# Altium PCB PCB.PcbDoc (part 1 of 4) (continued)
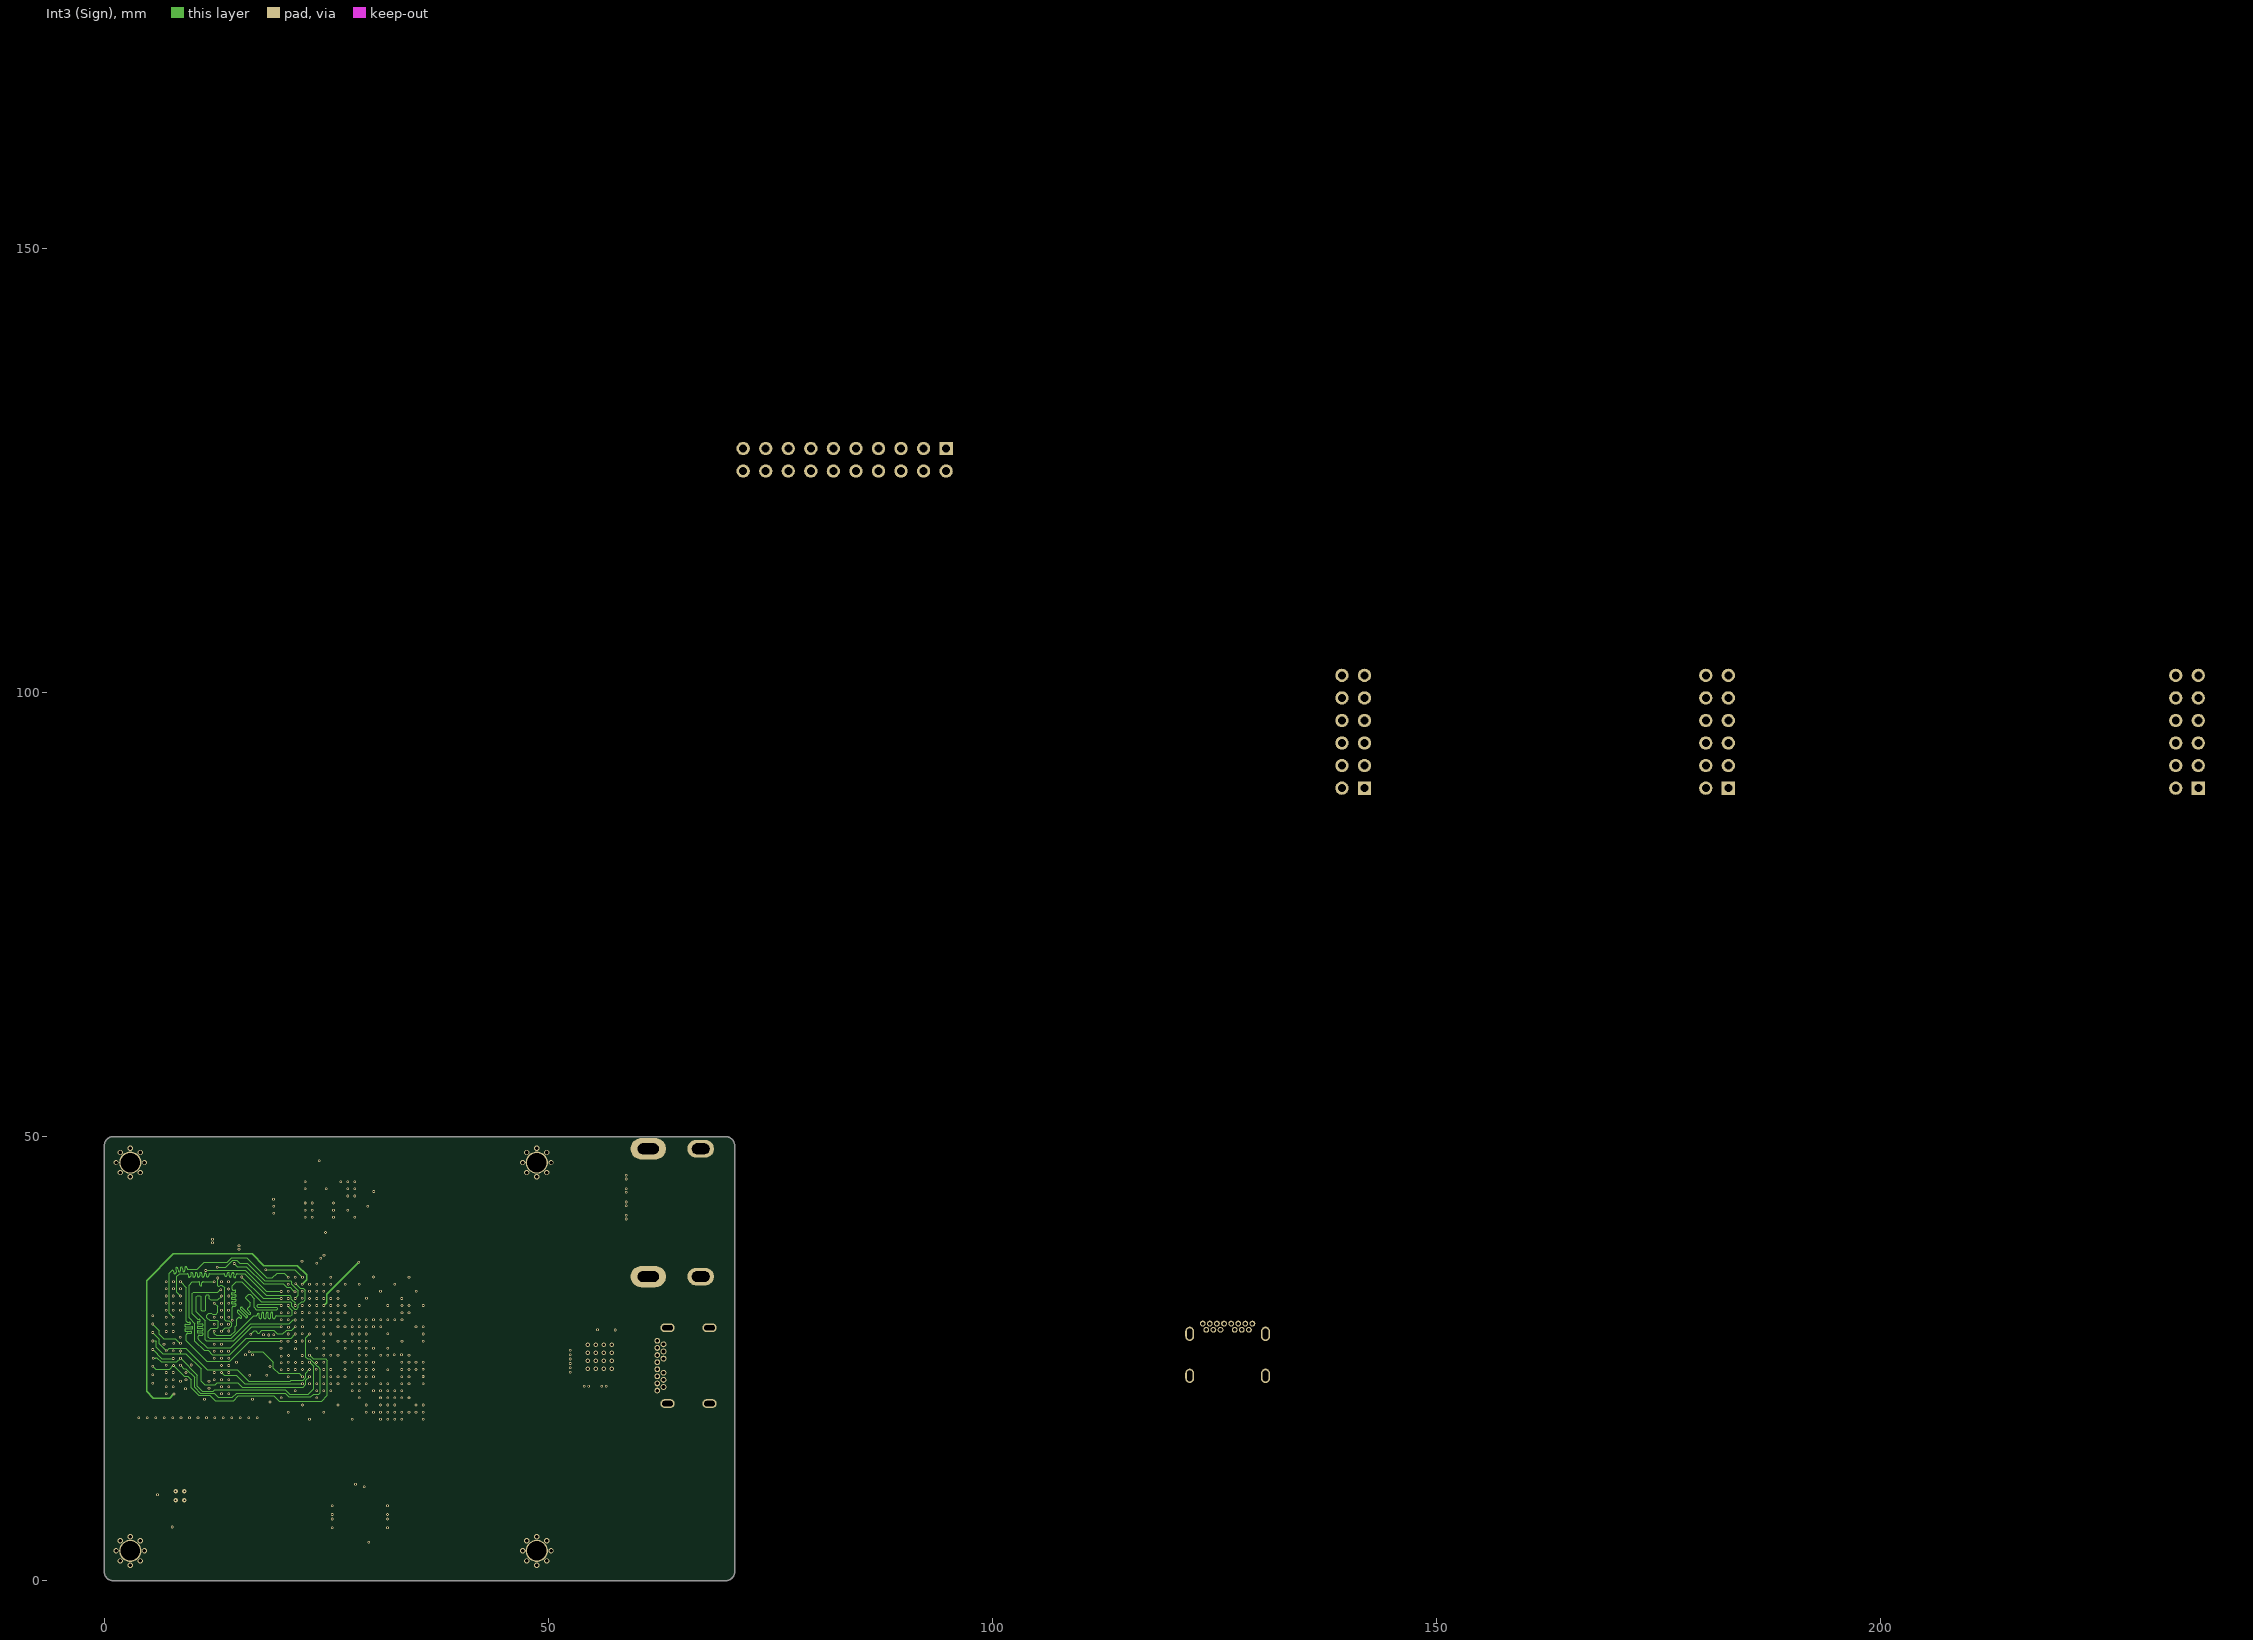
[diagram p4: Int3 (Sign)]
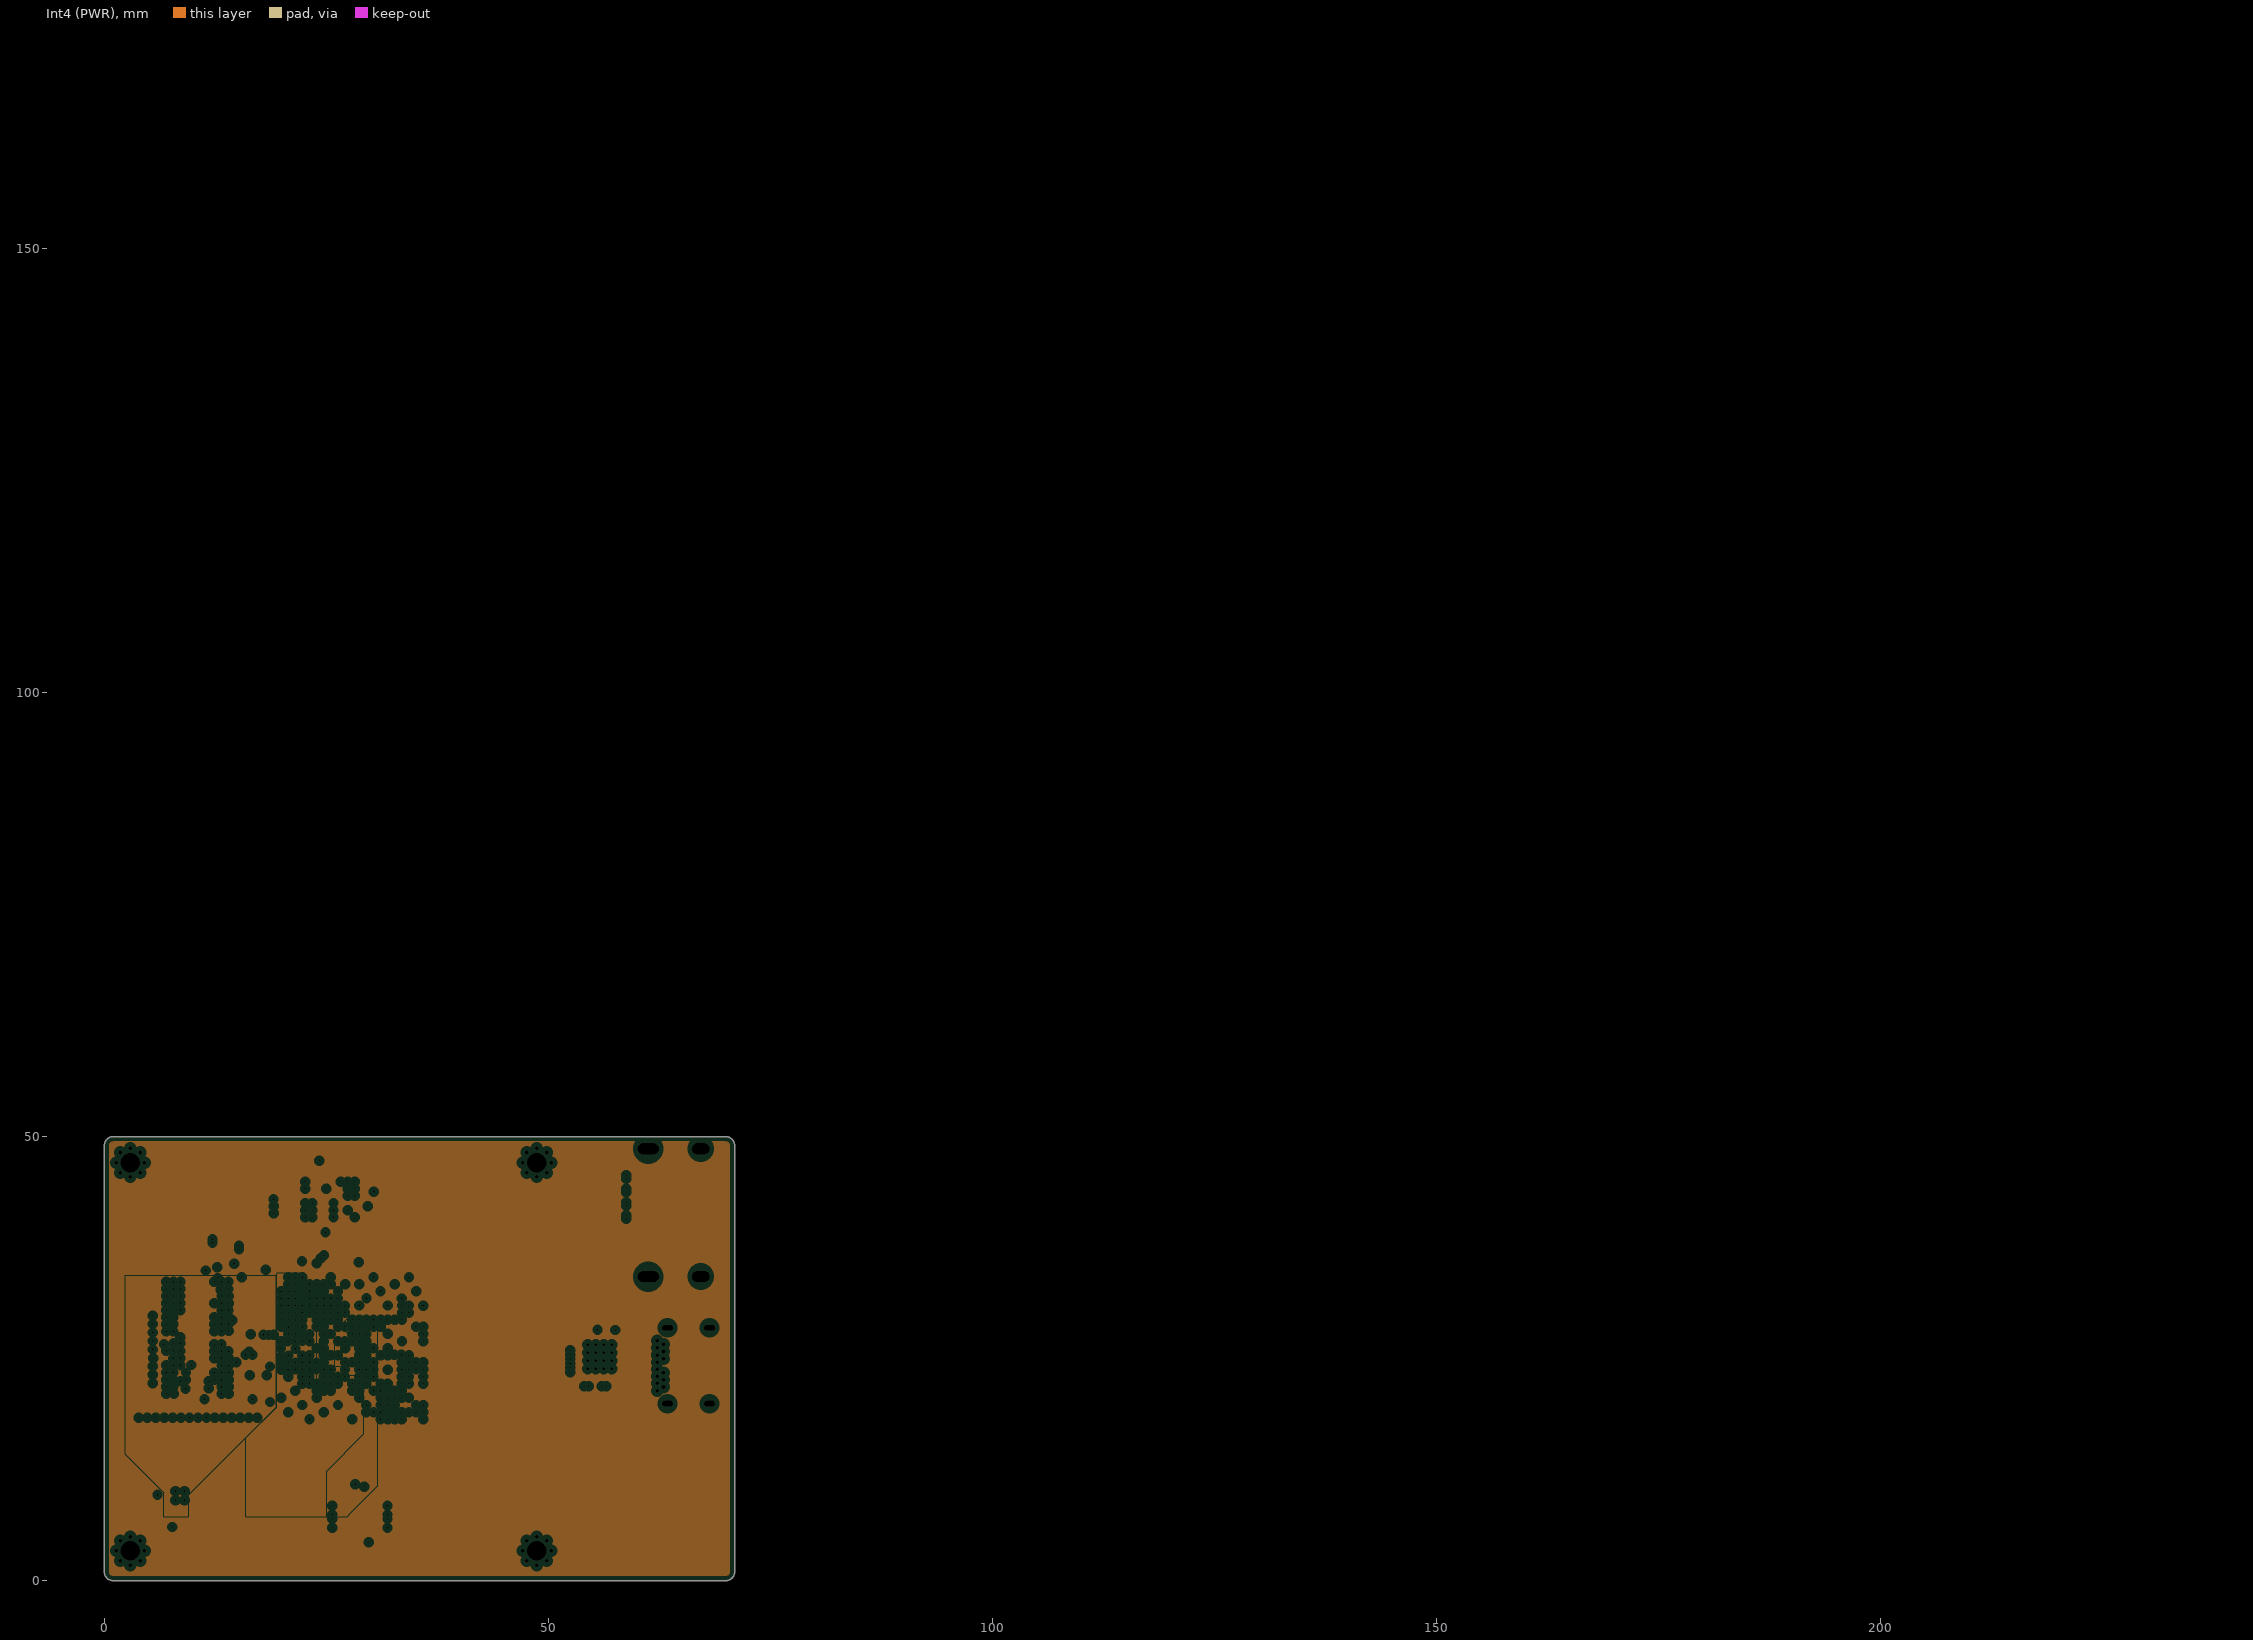
[diagram p5: Int4 (PWR), clearances drawn from the general rule]

## Layer stack, top to bottom
Top Solder: solder mask 0.0254, SM-001, Dk 4
Top Layer: signal copper 0.035
Dielectric 2: prepreg 0.0994, PP-006, Dk 4.1
Int1 (GND): plane copper 0.0152, net GND
Dielectric 3: core 0.35, Core-035, Dk 4.7
Int2 (Sign): signal copper 0.0152
Dielectric 4: prepreg 0.0584, PP-016, Dk 4.4
Dielectric 5: prepreg 0.0584, PP-016, Dk 4.4
Int3 (Sign): signal copper 0.0152
Dielectric 6: core 0.35, Core-035, Dk 4.7
Int4 (PWR): plane copper 0.0152, net (Multiple Nets)
Dielectric 7: prepreg 0.0994, PP-006, Dk 4.1
Bottom Layer: signal copper 0.035
Bottom Solder: solder mask 0.0254, SM-001, Dk 4

## Board outline
0,1 0,49 cw(c1,49) 1,50 70,50 cw(c70,49) 71,49 71,1 cw(c70,1) 70,0 1,0 cw(c1,1)

## Design rules (kind name [scope] priority, off if disabled: settings)
Clearance [All] p1: gap=0.1 ignorepadtopadclearanceinfootprint=FALSE except(0: Arc-Hole Track-Hole SMDPad-Hole THPad-Hole Via-Hole Fill-Hole Poly-Hole Region-Hole Text-Hole)
DiffPairsRouting [All] p1: maxlimit=0.127 minlimit=0.127 mostfreqgap=0.127 toplayer_minwidth=0.092 toplayer_maxwidth=0.092 toplayer_prefwidth=0.092 midlayer1_minwidth=0.082 midlayer1_maxwidth=0.082 midlayer1_prefwidth=0.082 midlayer2_minwidth=0.082 midlayer2_maxwidth=0.082 midlayer2_prefwidth=0.082 bottomlayer_minwidth=0.092 bottomlayer_maxwidth=0.092 bottomlayer_prefwidth=0.092 impedanceprofiledriven=TRUE impedanceprofileid={2C485AA9-0157-410C-BA8E-EF8DE5C47018} impedanceprofilevalue=100.000000 maxuncoupledlength=12.7
Length "Schematic Length Constraint_1" [InNetClass('HDMI')] p1: maxlimit=50.8 minlimit=25.4
Length "Schematic Length Constraint" [InNetClass('DDR_DATA')] p2: maxlimit=50.8 minlimit=0
MaxMinImpedance "Schematic Impedance Constraint_3" [InNetClass('HDMI')] p1: minimum=50.00 maximum=50.00
MaxMinImpedance "Schematic Impedance Constraint_2" [InNetClass('DDR_CTRL')] p2: minimum=40.00 maximum=40.00
MaxMinImpedance "Schematic Impedance Constraint_1" [InNetClass('DDR_ADDR')] p3: minimum=40.00 maximum=40.00
MaxMinImpedance "Schematic Impedance Constraint" [InNetClass('DDR_DATA')] p4: minimum=40.00 maximum=40.00
PlaneClearance [All] p1: clearance=0.508
PlaneConnect [All] p1: planeconnectstyle=Relief reliefexpansion=0.508 reliefentries=4 reliefconductorwidth=0.254 reliefairgap=0.254
PolygonConnect [All] p1: connectstyle=Relief reliefconductorwidth=0.254 reliefentries=4 polygonreliefangle="90 Angle" airgapwidth=0.254
RoomDefinition U_Power_DDRTermination [InComponentClass('U_Power_DDRTermination')] p1: confinementstyle=ConfineIn formatcopy=TRUE lockcomponents=FALSE outline 72.14,1.4 117.21,1.4 117.21,7.78 72.14,7.78
RoutingVias [All] p1: holewidth=0.2 width=0.4 viastyle="Through Hole" minholewidth=0.1 minwidth=0.2 maxholewidth=0.711 maxwidth=1.27
SolderMaskExpansion [All] p1: expansion=0.102 istentingtop=FALSE
Width HDMI [InNetClass('HDMI')] p1: maxlimit=0.155 minlimit=0.132 preferedwidth=0.155 toplayer_minwidth=0.155 midlayer1_maxwidth=0.132 midlayer1_prefwidth=0.132 midlayer2_maxwidth=0.132 midlayer2_prefwidth=0.132 bottomlayer_minwidth=0.155 impedanceprofiledriven=TRUE impedanceprofileid={C3B02C02-2A46-4D4C-BFA6-C15872B89736} impedanceprofilevalue=50.000000 minimp=50.000000 maximp=50.000000 favimp=50.000000
Width "Schematic Width Constraint_DDAR_D" [InNetClass('DDR_DATA')] p2: maxlimit=0.254 minlimit=0.1 preferedwidth=0.24 midlayer1_prefwidth=0.207 midlayer2_prefwidth=0.207 impedanceprofiledriven=TRUE impedanceprofileid={B25132B8-B395-43E9-A002-382E9EB60B30} impedanceprofilevalue=40.000000 minimp=50.000000 maximp=50.000000 favimp=50.000000
Width "Schematic Width Constraint_DDR_A" [InNetClass('DDR_ADDR')] p3: maxlimit=0.254 minlimit=0.1 preferedwidth=0.24 midlayer1_prefwidth=0.207 midlayer2_prefwidth=0.207 impedanceprofiledriven=TRUE impedanceprofileid={B25132B8-B395-43E9-A002-382E9EB60B30} impedanceprofilevalue=40.000000 minimp=50.000000 maximp=50.000000 favimp=50.000000
Width [All] p4: maxlimit=2 minlimit=0.09 preferedwidth=0.1 minimp=50.000000 maximp=50.000000 favimp=50.000000
27 further rules are at their usual default settings.

## Classes and differential pairs
component class U_Ethernet: C8 C9 C10 C11 C12 C13 C14 C15 C16 C17 C18 C19 C20 C21 C22 C23 C143 L1 L2 R8 U4
component class U_Power_DDRTermination: C110 C111 C112 C113 C118 C119 C120 C121 C122 R120 R121 R122 U15
net class USB_DATA[0..7]: USB_DATA0 USB_DATA1 USB_DATA2 USB_DATA3 USB_DATA4 USB_DATA5 USB_DATA6 USB_DATA7
net class NAND: #RE_0 #WE_0 ALE_0 CLK_0 CS_0 IO0_0 IO1_0 IO2_0 IO3_0 IO4_0 IO5_0 IO6_0 IO7_0 RY/#BY_0
net class HDMI: HDMI_CLK_N HDMI_CLK_P HDMI_D0_N HDMI_D0_P HDMI_D1_N HDMI_D1_P HDMI_D2_N HDMI_D2_P
net class SD-CARD: SD_CMD SD_DAT0 SD_DAT1 SD_DAT2 SD_DAT3 SD_NCD SD_SCK
net class DDR_DATA: DDR-0-DQ0 DDR-0-DQ1 DDR-0-DQ2 DDR-0-DQ3 DDR-0-DQ4 DDR-0-DQ5 DDR-0-DQ6 DDR-0-DQ7 DDR-0-DQ8 DDR-0-DQ9 DDR-0-DQ10 DDR-0-DQ11 DDR-0-DQ12 DDR-0-DQ13 DDR-0-DQ14 DDR-0-DQ15
net class DDR_CTRL: DDR-0-BA0 DDR-0-BA1 DDR-0-BA2 DDR-0-CAS DDR-0-CLK DDR-0-CLK0_N DDR-0-CLK0_P DDR-0-CS0 DDR-0-LDM DDR-0-LDQS_N DDR-0-LDQS_P DDR-0-ODT DDR-0-RAS DDR-0-RESET DDR-0-UDM DDR-0-UDQS_N DDR-0-UDQS_P DDR-0-WE
net class DDR_ADDR: DDR-0-A0 DDR-0-A1 DDR-0-A2 DDR-0-A3 DDR-0-A4 DDR-0-A5 DDR-0-A6 DDR-0-A7 DDR-0-A8 DDR-0-A9 DDR-0-A10 DDR-0-A11 DDR-0-A12 DDR-0-A13 DDR-0-A14
net class DDR-0-DQ[0..15]: DDR-0-DQ0 DDR-0-DQ1 DDR-0-DQ2 DDR-0-DQ3 DDR-0-DQ4 DDR-0-DQ5 DDR-0-DQ6 DDR-0-DQ7 DDR-0-DQ8 DDR-0-DQ9 DDR-0-DQ10 DDR-0-DQ11 DDR-0-DQ12 DDR-0-DQ13 DDR-0-DQ14 DDR-0-DQ15
net class DDR-0-BA[0..2]: DDR-0-BA0 DDR-0-BA1 DDR-0-BA2
net class DDR-0-A[0..14]: DDR-0-A0 DDR-0-A1 DDR-0-A2 DDR-0-A3 DDR-0-A4 DDR-0-A5 DDR-0-A6 DDR-0-A7 DDR-0-A8 DDR-0-A9 DDR-0-A10 DDR-0-A11 DDR-0-A12 DDR-0-A13 DDR-0-A14
component class U_ZYNQ_PW: C43 C44 C45 C46 C47 C48 C49 C50 C51 C52 C53 C54 C55 C56 C57 C58 C59 C60 C61 C62 C63 C64 C65 C66 C67 C68 C69 C70 C71 C72 C73 C74 C75 C76 C77 C78 C79 C80 C81 C82 C83 C84 FB2 FB3
component class U_ZYNQ_JTAG: C5 C7 C144 C145 C146 C147 C148 C149 C150 C151 D1 J2 R2 R3 R4 R5 R6 R9 R11 R12 R14 R15 R21 R24 R25 R26 R30 R31 R32 R33 U3 U5 Y4
component class U_ZYNQ_FLASH: C24 C25 C26 C27 IC1 R13 R48 R50 R51 R52 R71 R72 R73 R123 R125 R126 R127 R128 R129 R131 R132 R134
component class U_ZYNQ_DDR3: C96 C97 C98 C99 C100 C101 C102 C103 C104 C105 C106 C107 C108 C109 C114 C115 C116 C117 C123 C124 C125 C126 C127 C128 C129 C130 C131 C132 C133 C134 C135 C136 C137 C138 C139 R93 R94 R95 R96 R97 R98 R99 R100 R101 R102 R103 R104 R105 R106 R107 R108 R109 R110 R111 R112 R113 R114 R115 R116 R117 R118 R119 U14
component class U_ZYNQ_BANK: C85 C86 U1
component class U_USB: C6 C28 C29 C30 C31 J5 R7 R74 U2
component class U_Sheet5: M1 M2 M3 M4 PMOD1 PMOD2 PMOD3 R53 R54 R55 R57 R58 R59 R60 R61
component class U_SDCARD: J1 R86 R87 R88 R89 R90 R91 R92
component class U_HDMI: C40 C41 C42 D5 FB1 HDMI R35 R36 R39 R41 R43 R44 R45 R46 R79 R80 R81
component class U_GPIO: BTN0 BTN1 LED0 LED1 LED2 LED3 PMOD4+ R63 R64 R65 R66 R67 R68 R69 R70
component class U_PSCLK: C1 C2 C3 R1 R56 R62 Y1 Y2 Y3
component class U_Power: C4 C32 C33 C34 C35 C36 C37 C38 C39 C87 C88 C89 C90 C91 C92 C93 C94 C95 C140 C141 C142 D2 IC2 L3 L5 L6 L7 L8 R10 R75 R76 R77 R78 R82 R83 R84 R85 R124 R130 R133 R135 R136 R137
differential pair JTAG_USBD: +JTAG_USBD_P -JTAG_USBD_N
differential pair USBD: +USBD_P -USBD_N
differential pair USBD2: +USBD2_P -USBD2_N
differential pair Q4: +Q4_P -Q4_N
differential pair Q3: +Q3_P -Q3_N
differential pair Q2: +Q2_P -Q2_N
differential pair Q1: +Q1_P -Q1_N
differential pair P5: +P5_P -P5_N
differential pair P4: +P4_P -P4_N
differential pair P3: +P3_P -P3_N
differential pair P2: +P2_P -P2_N
differential pair P1: +P1_P -P1_N
differential pair HDMI_D2: +HDMI_D2_P -HDMI_D2_N
differential pair HDMI_D1: +HDMI_D1_P -HDMI_D1_N
differential pair HDMI_D0: +HDMI_D0_P -HDMI_D0_N
differential pair HDMI_CLK: +HDMI_CLK_P -HDMI_CLK_N
differential pair DDR-0-UDQS: +DDR-0-UDQS_P -DDR-0-UDQS_N
differential pair DDR-0-LDQS: +DDR-0-LDQS_P -DDR-0-LDQS_N
differential pair DDR-0-CLK0: +DDR-0-CLK0_P -DDR-0-CLK0_N

## Components (designator, comment, footprint, x,y, rotation, side; value= is the part's Value field where it differs from the comment)
BTN0 "PUSHBUTTON" SWPBS_SPST_6X3X5 111.26,115.06 r90 top
BTN1 "PUSHBUTTON" SWPBS_SPST_6X3X5 87.96,115.06 r90 top
C1 "CAP 10nF 16V 0402(1005)" CAPC0402(1005)60_M 35.37,36.56 r270 top value=10nF
C2 "CAP 10nF 16V 0402(1005)" CAPC0402(1005)60_M 39.62,26.54 r0 top value=10nF
C3 "CAP 10nF 16V 0402(1005)" CAPC0402(1005)60_M 39.62,21.33 r0 top value=10nF
C4 "CC0402KRX5R5BB105" FP-CC0402-MFG 28.72,1.59 r180 top value="1 uF"
C5 "0.1µF" CAP0402i 184.179,60.279 r90 top value=0.1µF,50V,X7R
C6 "GRM1555C1H102JA01D" FP-GRM155-0_05-IPC_B#1 181.98,126.019 r0 top value=1nF
C7 "0.1µF" CAP0402i 105.05,60.279 r90 top value=0.1µF,50V,X7R
C8 "C0402C104K8PACTU" FP-C0402-BB-MFG 105.33,10.54 r0 top value="0.10 μF"
C9 "C0402C104K8PACTU" FP-C0402-BB-MFG 79.9,10.54 r0 top value="0.10 μF"
C10 "C0402C104K8PACTU" FP-C0402-BB-MFG 83.13,10.54 r0 top value="0.10 μF"
C11 "C0402C104K8PACTU" FP-C0402-BB-MFG 86.85,10.54 r0 top value="0.10 μF"
C12 "C0402C104K8PACTU" FP-C0402-BB-MFG 90.45,10.54 r0 top value="0.10 μF"
C13 "C0402C104K8PACTU" FP-C0402-BB-MFG 120.18,10.54 r0 top value="0.10 μF"
C14 "C0402C104K8PACTU" FP-C0402-BB-MFG 123.91,10.54 r0 top value="0.10 μF"
C15 "C0402C104K8PACTU" FP-C0402-BB-MFG 127.629,10.54 r0 top value="0.10 μF"
C16 "C0402C104K8PACTU" FP-C0402-BB-MFG 131.359,10.54 r0 top value="0.10 μF"
C17 "C0402C104K8PACTU" FP-C0402-BB-MFG 135.079,10.54 r0 top value="0.10 μF"
C18 "C0402C104K8PACTU" FP-C0402-BB-MFG 138.809,10.54 r0 top value="0.10 μF"
C19 "C0402C104K8PACTU" FP-C0402-BB-MFG 116.45,10.54 r0 top value="0.10 μF"
C20 "C0402C104K8PACTU" FP-C0402-BB-MFG 101.61,10.54 r0 top value="0.10 μF"
C21 "C0402C104K8PACTU" FP-C0402-BB-MFG 76.3,10.54 r0 top value="0.10 μF"
C22 "C0402C104K8PACTU" FP-C0402-BB-MFG 94.17,10.54 r0 top value="0.10 μF"
C23 "C0402C104K8PACTU" FP-C0402-BB-MFG 97.89,10.54 r0 top value="0.10 μF"
C24 "GRM188R60J476ME15D" FP-GRM188-0_2-IPC_B 27.47,48.14 r0 top value=47uF
C25 "C0603C475K9PACTU" FP-C0603-CG-MFG 48.31,55.63 r90 bottom value=4.7uF
C26 "GRM155R61A474KE15D" FP-GRM15-0_1-MFG 23.84,40.54 r270 bottom value=0.47uF
C27 "GRM155R61A474KE15D" FP-GRM15-0_1-MFG 43.45,53.34 r90 bottom value=0.47uF
C28 "C0402C104K8PACTU" FP-C0402-BB-MFG 55.04,29.04 r90 top value="0.10 μF"
C29 "C0402C104K8PACTU" FP-C0402-BB-MFG 54.1,29.04 r90 top value="0.10 μF"
C30 "C0402C104K8PACTU" FP-C0402-BB-MFG 55.25,21.53 r90 top value="0.10 μF"
C31 "C0402C104K8PACTU" FP-C0402-BB-MFG 59.36,24.98 r180 top value="0.10 μF"
C32 "GRM188R60J106ME47D" FP-GRM188-0_1-E0_2_0_55-IPC_A 24.01,13.49 r90 top value=10uF
C33 "GRM188R60J106ME47D" FP-GRM188-0_1-E0_2_0_55-IPC_A 23.13,1.26 r180 top value=10uF
C34 "GRM188R60J106ME47D" FP-GRM188-0_1-E0_2_0_55-IPC_A 32.66,1.26 r0 top value=10uF
C35 "GRM188R60J106ME47D" FP-GRM188-0_1-E0_2_0_55-IPC_A 34.6,12.66 r0 top value=10uF
C36 "GRM188R60J106ME47D" FP-GRM188-0_1-E0_2_0_55-IPC_A 18.318,8.418 r180 top value=10uF
C37 "GRM188R60J106ME47D" FP-GRM188-0_1-E0_2_0_55-IPC_A 18.318,10.244 r180 top value=10uF
C38 "GRM188R60J106ME47D" FP-GRM188-0_1-E0_2_0_55-IPC_A 18.318,12.07 r180 top value=10uF
C39 "CC0402KRX5R5BB105" FP-CC0402-MFG 27.86,12.73 r0 top value="1 uF"
C40 "1nF" 0805_C 84.32,140.92 r90 top
C41 "10uF" 0603_C 87.62,141.15 r90 top
C42 "1nF" 0805_C 80.78,140.92 r90 top
C43 "100uF" 1206_C 39.4,13.93 r0 top
C44 "4.7uF" 0805_C 35.78,15.39 r270 top
C45 "4.7uF" 0805_C 19.57,15.39 r270 top
C46 "470nF" 0402_C 28.284,16.185 r270 top
C47 "470nF" 0402_C 29.513,16.185 r270 top
C48 "470nF" 0402_C 30.741,16.185 r270 top
C49 "470nF" 0402_C 25.827,16.185 r270 top
C50 "0.1µF" CAP0402i 39.25,34.36 r180 top value=0.1µF,50V,X7R
C51 "470nF" 0402_C 13.791,69.628 r90 top
C52 "4.7uF" 0805_C 14.981,73.108 r180 top
C53 "47uF" 1206_C 15.571,76.818 r180 top
C54 "100uF" 1206_C 39.43,19.32 r0 top
C55 "4.7uF" 0805_C 21.66,15.39 r270 top
C56 "470nF" 0402_C 31.97,16.185 r270 top
C57 "470nF" 0402_C 23.37,16.185 r270 top
C58 "470nF" 0402_C 27.056,16.185 r270 top
C59 "470nF" 0402_C 7.561,69.288 r90 top
C60 "4.7uF" 0805_C 8.751,72.768 r180 top
C61 "100uF" 1206_C 9.341,76.478 r180 top
C62 "100uF" 1206_C 62.741,61.628 r180 top
C63 "4.7uF" 0805_C 62.151,65.338 r180 top
C64 "470nF" 0402_C 60.961,68.818 r90 top
C65 "470nF" 0402_C 24.599,16.185 r90 top
C66 "4.7uF" 0805_C 33.7,15.39 r90 top
C67 "100uF" 1206_C 39.43,16.63 r180 top
C68 "47uF" 1206_C 54.501,84.858 r180 top
C69 "100uF" 1206_C 52.061,62.959 r180 top
C70 "4.7uF" 0805_C 51.471,66.669 r180 top
C71 "4.7uF" 0805_C 51.471,70.209 r180 top
C72 "470nF" 0402_C 50.281,73.689 r90 top
C73 "470nF" 0402_C 57.951,61.669 r90 top
C74 "470nF" 0402_C 57.951,65.089 r90 top
C75 "470nF" 0402_C 57.951,68.519 r90 top
C76 "470nF" 0402_C 57.951,71.939 r90 top
C77 "470nF" 0402_C 57.951,75.359 r90 top
C78 "470nF" 0402_C 57.951,78.779 r90 top
C79 "470nF" 0402_C 57.951,82.199 r90 top
C80 "4.7uF" 0805_C 53.911,73.729 r180 top
C81 "4.7uF" 0805_C 53.911,77.269 r180 top
C82 "100uF" 1206_C 54.501,80.988 r180 top
C83 "470nF" 0402_C 21.49,56.96 r270 top
C84 "10uF" 0603_C 20.1,57.02 r270 top
C85 "CC0402KRX7R9BB103" FP-CC0402-MFG 20.98,17.91 r0 bottom value="10 nF"
C86 "C0402C104K8PACTU" FP-C0402-BB-MFG 23.93,27.67 r270 bottom value="0.10 μF"
C87 "GRM188R60J106ME47D" FP-GRM188-0_1-E0_2_0_55-IPC_A 18.318,4.766 r180 top value=10uF
C88 "GRM188R60J106ME47D" FP-GRM188-0_1-E0_2_0_55-IPC_A 18.318,2.94 r180 top value=10uF
C89 "GRM188R60J106ME47D" FP-GRM188-0_1-E0_2_0_55-IPC_A 18.318,6.592 r180 top value=10uF
C90 "04025A330JAT2A" FP-0402-L_1_0_1-W_0_5_0_1-IPC_A 26.46,1.6 r180 top value=33pF
C91 "GRM188R60J106ME47D" FP-GRM188-0_1-E0_2_0_55-IPC_A 39.158,3.966 r0 top value=10uF
C92 "GRM188R60J106ME47D" FP-GRM188-0_1-E0_2_0_55-IPC_A 39.158,2.14 r0 top value=10uF
C93 "GRM188R60J106ME47D" FP-GRM188-0_1-E0_2_0_55-IPC_A 39.158,5.792 r0 top value=10uF
C94 "04025A200JAT2A" CAPC1005X56X25NL10T15 30.51,1.3 r270 top value=20pF
C95 "GRM188R60J106ME47D" FP-GRM188-0_1-E0_2_0_55-IPC_A 39.158,11.27 r0 top value=10uF
C96 "CC0402KRX7R9BB103" FP-CC0402-MFG 1.87,32.02 r90 bottom value="10 nF"
C97 "CC0402KRX7R9BB103" FP-CC0402-MFG 12.19,24.21 r180 bottom value="10 nF"
C98 "C0603C475K9PACTU" FP-C0603-CG-MFG 17.02,15.05 r270 top value=4.7uF
C99 "C0603C475K9PACTU" FP-C0603-CG-MFG 4.27,15.05 r270 top value=4.7uF
C100 "C0603C475K9PACTU" FP-C0603-CG-MFG 2.39,29.56 r180 top value=4.7uF
C101 "C0402C104K8PACTU" FP-C0402-BB-MFG 2.53,27.94 r180 top value="0.10 μF"
C102 "C0402C104K8PACTU" FP-C0402-BB-MFG 2.53,26.047 r180 top value="0.10 μF"
C103 "C0402C104K8PACTU" FP-C0402-BB-MFG 12.57,15.45 r270 top value="0.10 μF"
C104 "C0402C104K8PACTU" FP-C0402-BB-MFG 2.53,24.153 r180 top value="0.10 μF"
C105 "C0402C104K8PACTU" FP-C0402-BB-MFG 2.53,22.26 r180 top value="0.10 μF"
C106 "C0402C104K8PACTU" FP-C0402-BB-MFG 14.695,15.45 r270 top value="0.10 μF"
C107 "C0402C104K8PACTU" FP-C0402-BB-MFG 10.445,15.45 r270 top value="0.10 μF"
C108 "C0402C104K8PACTU" FP-C0402-BB-MFG 6.195,15.45 r270 top value="0.10 μF"
C109 "C0402C104K8PACTU" FP-C0402-BB-MFG 8.32,15.45 r270 top value="0.10 μF"
C110 "C0603C475K9PACTU" FP-C0603-CG-MFG 4.55,10.57 r180 top value=4.7uF
C111 "C0402C104K8PACTU" FP-C0402-BB-MFG 4.95,12.1 r180 top value="0.10 μF"
C112 "GRM188R60J106ME47D" FP-GRM188-0_1-E0_2_0_55-IPC_A 12.04,9.78 r270 top value=10uF
C113 "GRM32ER60J107ME20L" FP-GRM32-0_3-MFG 14.47,9.85 r270 top value=100uF
C114 "GRM188R60J476ME15D" FP-GRM188-0_2-IPC_B 15.78,30.35 r270 top value=47uF
C115 "C0603C475K9PACTU" FP-C0603-CG-MFG 3.71,33.28 r180 top value=4.7uF
C116 "GRM155R61A474KE15D" FP-GRM15-0_1-MFG 14.66,23.8 r90 bottom value=0.47uF
C117 "GRM155R61A474KE15D" FP-GRM15-0_1-MFG 6.38,33.27 r270 bottom value=0.47uF
C118 "CC0402KRX7R9BB103" FP-CC0402-MFG 10.82,6.44 r270 top value="10 nF"
C119 "CC0402KRX7R9BB103" FP-CC0402-MFG 9.82,6.44 r270 top value="10 nF"
C120 "C0603C475K9PACTU" FP-C0603-CG-MFG 4.55,7.84 r180 top value=4.7uF
C121 "GRM188R60J106ME47D" FP-GRM188-0_1-E0_2_0_55-IPC_A 12.48,5.9 r270 top value=10uF
C122 "GRM188R60J106ME47D" FP-GRM188-0_1-E0_2_0_55-IPC_A 14.32,5.888 r270 top value=10uF
C123 "GRM155R71E473KA88D" FP-GRM155-0_05-MFG 1.84,37.76 r270 bottom value=47nF
C124 "GRM155R71E473KA88D" FP-GRM155-0_05-MFG 15.7,22.22 r90 top value=47nF
C125 "GRM155R71E473KA88D" FP-GRM155-0_05-MFG 15.7,23.85 r90 top value=47nF
C126 "GRM155R71E473KA88D" FP-GRM155-0_05-MFG 6.37,30.03 r90 bottom value=47nF
C127 "GRM155R71E473KA88D" FP-GRM155-0_05-MFG 6.4,22.16 r90 bottom value=47nF
C128 "GRM155R71E473KA88D" FP-GRM155-0_05-MFG 15.65,32.36 r90 top value=47nF
C129 "GRM155R71E473KA88D" FP-GRM155-0_05-MFG 6.37,31.64 r270 bottom value=47nF
C130 "GRM155R71E473KA88D" FP-GRM155-0_05-MFG 16.23,16.42 r0 bottom value=47nF
C131 "GRM155R71E473KA88D" FP-GRM155-0_05-MFG 6.18,27.9 r270 bottom value=47nF
C132 "GRM155R71E473KA88D" FP-GRM155-0_05-MFG 14.66,32.49 r90 bottom value=47nF
C133 "GRM155R71E473KA88D" FP-GRM155-0_05-MFG 5.39,36.96 r90 bottom value=47nF
C134 "GRM155R71E473KA88D" FP-GRM155-0_05-MFG 6.39,23.84 r90 bottom value=47nF
C135 "GRM155R71E473KA88D" FP-GRM155-0_05-MFG 14.66,28.489 r90 bottom value=47nF
C136 "GRM155R71E473KA88D" FP-GRM155-0_05-MFG -1.8,33.16 r0 bottom value=47nF
C137 "GRM155R71E473KA88D" FP-GRM155-0_05-MFG -1.8,36.49 r0 bottom value=47nF
C138 "GRM155R71E473KA88D" FP-GRM155-0_05-MFG -1.8,39.81 r0 bottom value=47nF
C139 "GRM155R71E473KA88D" FP-GRM155-0_05-MFG -1.8,43.13 r0 bottom value=47nF
C140 "GRM188R60J106ME47D" FP-GRM188-0_1-E0_2_0_55-IPC_A 39.158,9.444 r0 top value=10uF
C141 "GRM188R60J106ME47D" FP-GRM188-0_1-E0_2_0_55-IPC_A 39.158,7.618 r0 top value=10uF